# Altium PCB mother_board.PcbDoc (part 1 of 5)
Units mil, origin at the board's own origin, x right, y up, seen from the top; angles counter-clockwise.
Board outline 5337.7 x 2972.67 mil, 2 copper layers (Top Layer, Bottom Layer); 94 components, 123 nets, 375 pads, 276 vias.
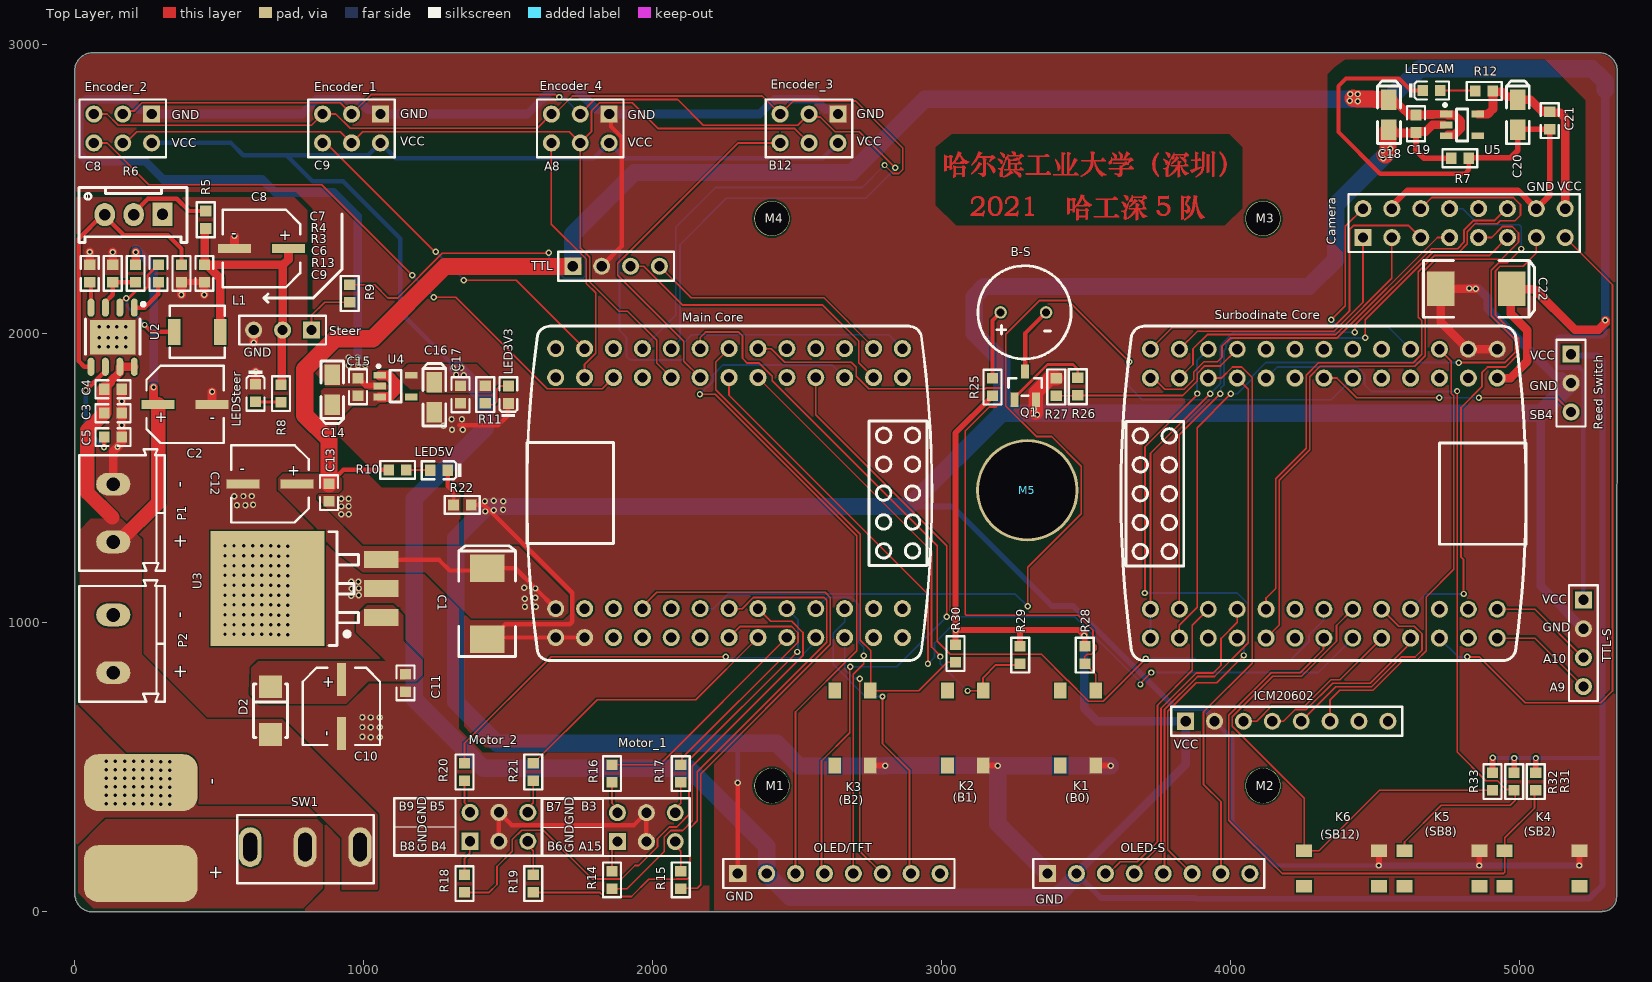
[diagram p0: Top Layer view]
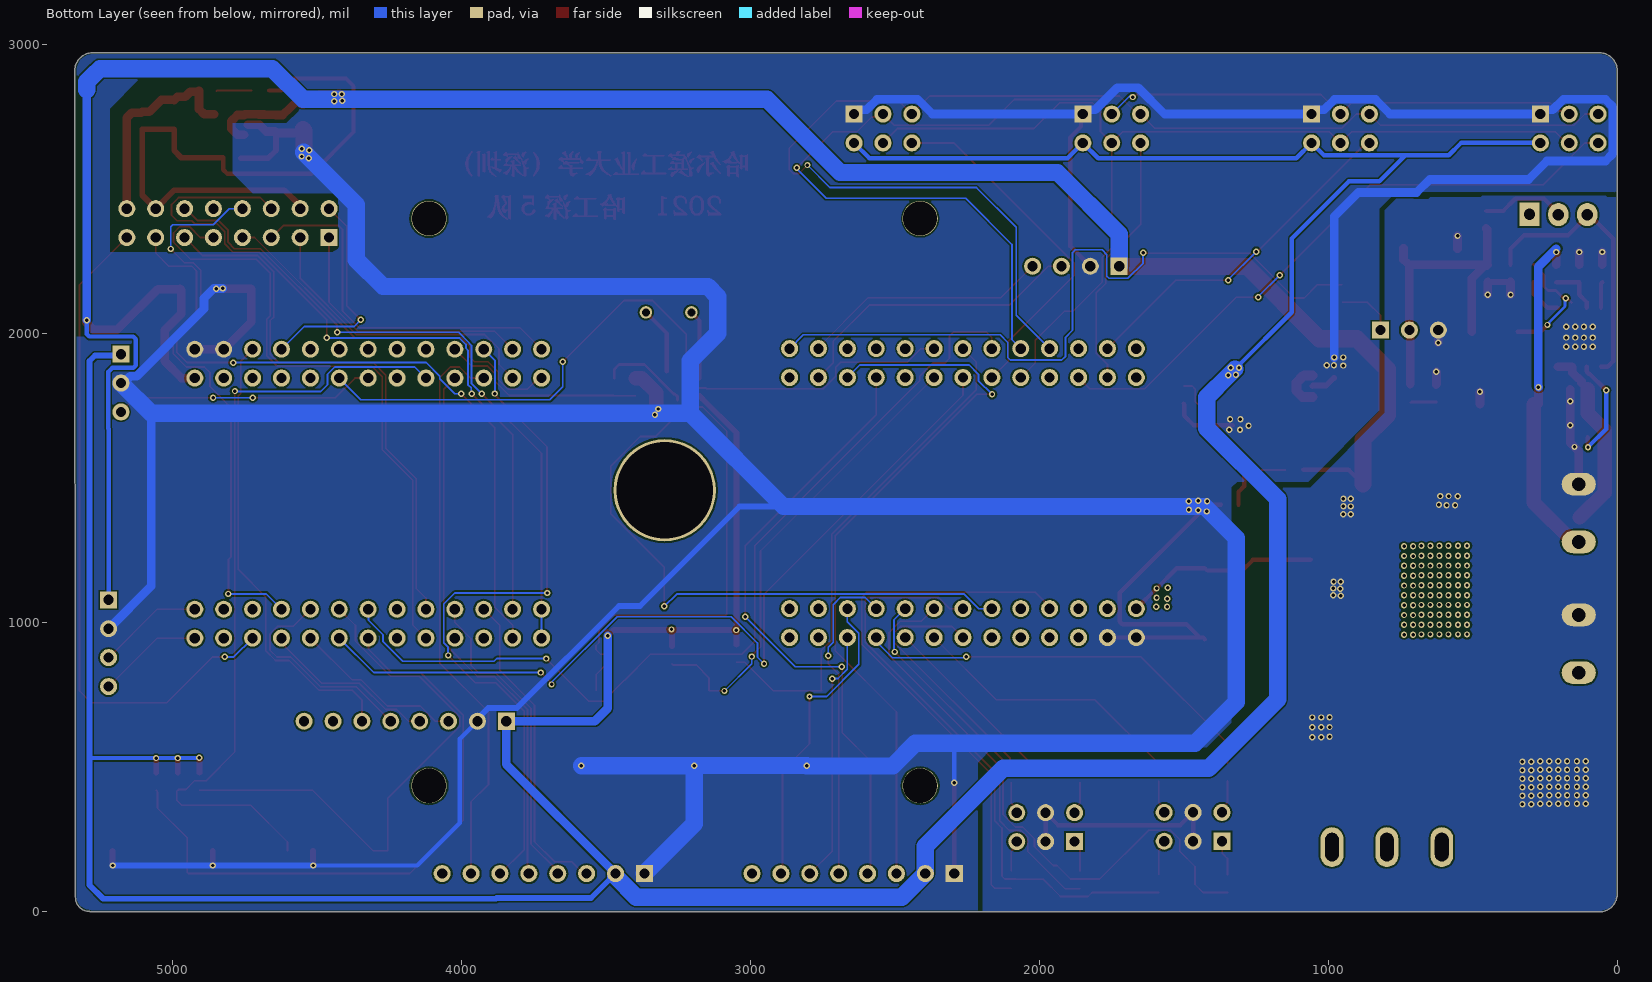
[diagram p1: Bottom Layer view, seen from below]
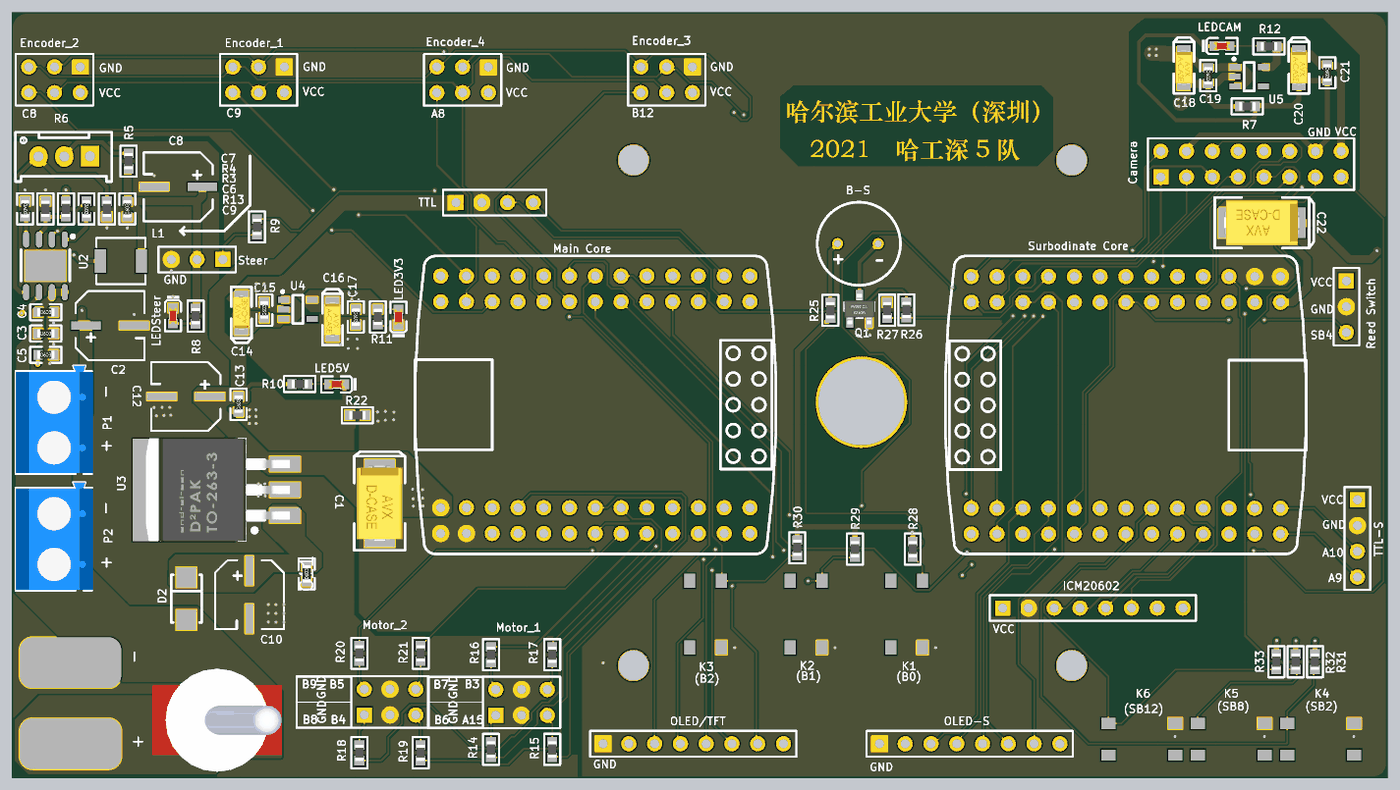
[diagram p6: 3D render of the assembled board from above, using the file's embedded part models]

## Layer stack, top to bottom
Top Solder: solder mask 0.4, Solder Resist, Dk 3.5
Top Layer: signal copper 1.4
Dielectric 1: dielectric 12.6, FR-4, Dk 4.8
Bottom Layer: signal copper 1.4
Bottom Solder: solder mask 0.4, Solder Resist, Dk 3.5

## Board outline
0,59.68 0,2912.35 cw(c60,2912.35) 60,2972.35 5277.7,2972.35 5277.7,2972.3 cw(c5277.7,2912.3) 5337.7,2912.3 5335.82,50.2 cw(c5286.09,50.47) 5285.82,0.75 5285.82,-0.32 60.32,-0.32 cw(c60.16,59.84)

## Design rules (kind name [scope] priority, off if disabled: settings)
Clearance [All] p1: gap=6 ignorepadtopadclearanceinfootprint=TRUE
PlaneClearance [All] p1: clearance=8
PlaneConnect [All] p1: planeconnectstyle=Direct reliefexpansion=20 reliefentries=4 reliefconductorwidth=10 reliefairgap=10
PolygonConnect [All] p1: connectstyle=Direct reliefconductorwidth=10 reliefentries=4 polygonreliefangle="90 Angle" airgapwidth=10
RoutingVias [All] p1: holewidth=12 width=22 viastyle="Through Hole" minholewidth=12 minwidth=22 maxholewidth=28 maxwidth=50
SilkToSilkClearance [All] p1: silktosilkclearance=2
SilkToSolderMaskClearance [IsPad] p1: minsilkscreentomaskgap=2 clearancetoexposedcopper=TRUE
SolderMaskExpansion [All] p1: expansion=4 istentingtop=FALSE
Width PWR_Width [InNetClass('VCC')] p1: maxlimit=60 minlimit=15 preferedwidth=15
Width [All] p2: maxlimit=6 minlimit=6 preferedwidth=6
26 further rules are at their usual default settings.

## Classes and differential pairs
net class VCC: FB GND5V GNDBAT GNDCAM VCC3V3 VCC5V VCCBAT VCCCAM VCCSteer
component class 主板: B-S C2 C3 C4 C5 C6 C7 C8 C9 C10 C18 C19 C20 C21 C22 Camera D2 Encoder_1 Encoder_2 Encoder_3 Encoder_4 ICM20602 K1 K2 K3 K4 K5 K6 L1 LEDCAM LEDSteer M1 M2 M3 M4 M5 "Main Core" Motor_1 Motor_2 OLED-S OLED/TFT P1 P2 Q1 R3 R4 R5 R6 R7 R8 R9 R12 R13 R14 R15 R16 R17 R18 R19 R20 R21 R25 R26 R27 R28 R29 R30 R31 R32 R33 "Reed Switch" Steer "Surbodinate Core" SW1 TTL TTL-S U2 U3 U5

## Components (designator, comment, footprint, x,y, rotation, side; value= is the part's Value field where it differs from the comment)
B-S "BEEP" BUZ-TH_BD9.0-P4.00-D1.0-FD 3286.5,2074.3 r0 top
C1 "100uF 16V" CASE-D_7343 1427,1065.97 r90 top
C2 "25V 100uF" SMD-ECAP-6.3x5.3 381.3,1756.1 r0 top
C3 "10uF" 0603_R 131.88,1725.45 r0 top
C4 "100nF" 0603_R 131.88,1808.3 r0 top
C5 "1uF" 0603_R 131.88,1642.6 r0 top
C6 "100nF" 0603_R 289.42,2209.39 r270 top
C7 "100nF" 0603_R 51.4,2209.39 r270 top
C8 "16V 220uF" SMD-ECAP-6.3x5.3 645.6,2295.3 r180 top
C9 "100nF" 0603_R 448.1,2209.39 r90 top
C10 "25V 100uF" SMD-ECAP-6.3x5.3 922.1,710.9 r270 top
C11 "100nF" 0603_R 1144,792 r90 top
C12 "220uF 16V" SMD-ECAP-6.3x5.3 675.3,1480.9 r180 top
C13 "100nF" 0603_R 879.6,1450.6 r90 top
C14 "10uF 16V" CASE-A_3216 890.8,1806.5 r270 top
C15 "100nF" 0603_R 979.9,1816.6 r90 top
C16 "10uF 16V" CASE-A_3216 1244.2,1780.53 r90 top
C17 "100nF" 0603_R 1334.9,1789.53 r270 top
C18 "10uF 16V" CASE-A_3216 4548,2758.4 r90 top
C19 "100nF" 0603_R 4641.8,2727.12 r270 top
C20 "10uF 16V" CASE-A_3216 4994.1,2758 r90 top
C21 "100nF" 0603_R 5104.4,2738.09 r270 top
C22 "100uF 16V" CASE-D_7343 4850.5,2155.9 r0 top
Camera "HDR2x8" HDR2X8 4458.1,2333.3 r0 top
D2 "SS54" SMA(DO-214AC)_S1 677.3,695.6 r270 top
Encoder_1 "HDR2x3" HDR2X3 1057.37,2760.9 r180 top
Encoder_2 "HDR2x3" HDR2X3 265.6,2760.9 r180 top
Encoder_3 "HDR2x3" HDR2X3 2640.9,2760.9 r180 top
Encoder_4 "HDR2x3" HDR2X3 1849.13,2760.9 r180 top
ICM20602 "HDR1x8" HDR1X8 3844.4,659.1 r0 top
K1 "KEY-2P" SMD 3474.4,636.9 r270 top
K2 "KEY-2P" SMD 3084.2,636.9 r270 top
K3 "KEY-2P" SMD 2694,636.9 r270 top
K4 "KEY-2P" SMD 5076.6,151.9 r0 top
K5 "KEY-2P" SMD 4729.65,151.9 r0 top
K6 "KEY-2P" SMD 4382.7,151.9 r0 top
L1 "3.3uH" SMD-4.2x4.4x2.0 423.2,2006.9 r180 top
LED3V3 "LED_GREEN" 0603-LED 1500.3,1789.1 r90 top
LED5V "LED_BLUE" 0603-LED 1260.7,1528.1 r180 top
LEDCAM "LED_GREEN" 0603-LED 4695.18,2842.3 r0 top
LEDSteer "LED_GREEN" 0603-LED 625.3,1794.7 r270 top
M1 "MountHole" MountHole 2412.1,435.9 r0 top
M2 "MountHole" MountHole 4112.3,435.9 r0 top
M3 "MountHole" MountHole 4112.3,2399.2 r0 top
M4 "MountHole" MountHole 2412.1,2399.2 r0 top
M5 "MountHole" HOLE 3296.6,1458.8 r0 top
"Main Core" "CH32V103R_CoreBoard" CH32V103R_CoreBoard 2264.1,1448.8 r0 top (schematic designator U1)
Motor_1 "HDR2x3" HDR2X3 1877.9,242.6 r0 top
Motor_2 "HDR2x3" HDR2X3 1367.5,243.8 r0 top
OLED-S "HDR1x8" HDR1X8 3366.6,132 r0 top
OLED/TFT "HDR1x8" HDR1X8 2294.2,132 r0 top
P1 "接口" "KF/WJ/DG 301-2p-5.0mm" 132.7,1379.8 r270 top
P2 "接口" "KF/WJ/DG 301-2p-5.0mm" 132.7,927.1 r270 top
Q1 "S8050" SOT-23(SOT-23-3) 3288.8,1820.8 r270 top
R3 "10K" 0603_L 210.08,2209.39 r270 top
R4 "10K" 0603_L 130.74,2209.39 r270 top
R5 "100K" 0603_L 452.9,2394.99 r270 top
R6 "100K" 3296W 245.2,2405.9 r180 top
R7 "0R" 0603_L 4793.68,2607.7 r0 top
R8 "10K" 0603_L 713.3,1793.21 r90 top
R9 "1K" 0603_L 951.4,2139.7 r270 top
R10 "4.7K" 0603_L 1117,1529.1 r0 top
R11 "2.7K" 0603_L 1420.1,1789.79 r270 top
R12 "2.7K" 0603_L 4877.69,2840.5 r180 top
R13 "15K" 0603_L 368.76,2209.39 r270 top
R14 "100R" 0603_L 1859,110.1 r270 top
R15 "100R" 0603_L 2096.8,110.1 r90 top
R16 "100R" 0603_L 1859,477.98 r90 top
R17 "100R" 0603_L 2096.8,477.99 r270 top
R18 "100R" 0603_L 1348.6,97.12 r270 top
R19 "100R" 0603_L 1586.4,97.11 r90 top
R20 "100R" 0603_L 1348.6,483.3 r90 top
R21 "100R" 0603_L 1586.4,483.3 r270 top
R22 "0R" 0603_L 1340.8,1408 r0 top
R25 "10R" 0603_L 3176.1,1815.5 r90 top
R26 "4.7K" 0603_L 3470.8,1817.1 r90 top
R27 "10K" 0603_L 3396.4,1816.08 r90 top
R28 "4.7K" 0603_L 3495.5,888.09 r270 top
R29 "4.7K" 0603_L 3271.55,888.09 r270 top
R30 "4.7K" 0603_L 3047.6,893.3 r270 top
R31 "4.7K" 0603_L 5056.2,450.32 r270 top
R32 "4.7K" 0603_L 4981.4,450.32 r270 top
R33 "4.7K" 0603_L 4906.6,450.32 r270 top
"Reed Switch" "Header 3" HDR1X3 5178.3,1929.6 r270 top (schematic designator GHG)
Steer "HDR1x3" HDR1X3 818.8,2013 r180 top
"Surbodinate Core" "CoreBoard_S" CH32V103R_CoreBoard 4322.7,1446.8 r180 top (schematic designator U6)
SW1 "SWITCH-SPST" "ToggleSwitch 7102" 796.8,223.4 r0 top
TTL "HDR1x4" HDR1X4 1723.3,2234 r0 top
TTL-S "HDR1x4" HDR1X4 5221,1079.4 r270 top
T型头 "" T型头焊盘 232.7,281.86 r180 top
U2 "SY8205FCC" SOIC-8_EP_150mil 130.5,1988.4 r180 top
U3 "SPX2940-5.0" TO-263-3 1060.2,1118.3 r0 top
U4 "RT9013-33" SOT-23-5 1109.78,1819 r180 top
U5 "RT9013-33" SOT-23-5 4801.1,2723.2 r180 top

## Footprints (in the part's own frame and the unit in brackets; to place one, negate y for a bottom-side part, rotate by r counter-clockwise, add the part's x,y. Pads: shape width x height; smd on the part's side, far side on the other; paste and mask are expansions set on the pad)
0603-LED [mm]
  rect 0.93x0.98 smd: 1(0.77,0) 2(-0.77,0)
  silkscreen extent -1.97,-0.79 1.53,0.79, body extent -0.8,-0.4 0.8,0.4, height 0.6
0603_L [mm]
  rect 0.93x0.98 smd: 1(-0.77,0) 2(0.77,0)
  silkscreen extent -1.53,-0.79 1.54,0.79, body extent -0.82,-0.41 0.83,0.41, height 0.46
0603_R [mm]
  rect 0.93x0.98 smd: 1(-0.77,0) 2(0.77,0)
  silkscreen extent -1.54,-0.79 1.53,0.79, body extent -0.85,-0.4 0.85,0.4, height 0.56
3296W [mil]
  oval 70x80 hole 39.37: 1(141.85,-6.85) 2(41.85,-6.85)
  rect 70x80 hole 39.37: 3(-58.15,-8.15)
  silkscreen extent -143,-101 231,90
BUZ-TH_BD9.0-P4.00-D1.0-FD [mm] "逐飞科技CH32V103R核心板"
  round 1.1 hole 0.7: 1(-2.095,0) 2(1.905,0)
  silkscreen extent -4.1,-4.1 4.1,4.1
CASE-A_3216 [mm]
  rect 1.8x1.35 smd: 1(1.31,0) 2(-1.31,0)
  silkscreen extent -2.54,-1 2.97,1, body extent -1.7,-0.84 1.7,0.84, height 1.71
CASE-D_7343 [mm]
  rect 2.4x3 smd: 1(3.12,0) 2(-3.12,0)
  silkscreen extent -4.65,-2.5 5.1,2.5, body extent -3.7,-2.23 3.7,2.22, height 3.01
CH32V103R_CoreBoard [mm] "逐飞科技CH32V103R核心板"
  round 1.5 hole 0.9: 1(-15.24,-12.7) 2(-15.24,-10.16) 3(-12.7,-12.7) 4(-12.7,-10.16) 5(-10.16,-12.7) 6(-10.16,-10.16) 7(-7.62,-12.7) 8(-7.62,-10.16) 9(-5.08,-12.7) 10(-5.08,-10.16) 11(-2.54,-12.7) 12(-2.54,-10.16) 13(0,-12.7) 14(0,-10.16) 15(2.54,-12.7) 16(2.54,-10.16) 17(5.08,-12.7) 18(5.08,-10.16) 19(7.62,-12.7) 20(7.62,-10.16) 21(10.16,-12.7) 22(10.16,-10.16) 23(12.7,-12.7) 24(12.7,-10.16) 25(15.24,-12.7) 26(15.24,-10.16) 27(15.24,12.7) 28(15.24,10.16) 29(12.7,12.7) 30(12.7,10.16) 31(10.16,12.7) 32(10.16,10.16) 33(7.62,12.7) 34(7.62,10.16) 35(5.08,12.7) 36(5.08,10.16) 37(2.54,12.7) 38(2.54,10.16) 39(0,12.7) 40(0,10.16) 41(-2.54,12.7) 42(-2.54,10.16) 43(-5.08,12.7) 44(-5.08,10.16) 45(-7.62,12.7) 46(-7.62,10.16) 47(-10.16,12.7) 48(-10.16,10.16) 49(-12.7,12.7) 50(-12.7,10.16) 51(-15.24,12.7) 52(-15.24,10.16)
  silkscreen extent -17.79,-14.73 17.83,14.67
HDR1X3 [mm] "Connector; Header; 3 Position"
  rect 1.5x1.5 hole 0.9: 1(0,0)
  round 1.5 hole 0.9: 2(2.54,0) 3(5.08,0)
  silkscreen extent -1.27,-1.27 6.35,1.27
HDR1X4 [mm] "Connector; Header; 4 Position"
  rect 1.5x1.5 hole 0.9: 1(0,0)
  round 1.5 hole 0.9: 2(2.54,0) 3(5.08,0) 4(7.62,0)
  silkscreen extent -1.27,-1.27 8.89,1.27
HDR1X8 [mm] "Connector; Header; 8 Position"
  rect 1.5x1.5 hole 0.9: 1(0,0)
  round 1.5 hole 0.9: 2(2.54,0) 3(5.08,0) 4(7.62,0) 5(10.16,0) 6(12.7,0) 7(15.24,0) 8(17.78,0)
  silkscreen extent -1.27,-1.27 19.05,1.27
HDR2X3 [mm] "Connector; Header; 3x2 Position"
  rect 1.5x1.5 hole 0.9: 1(0,0)
  round 1.5 hole 0.9: 2(0,2.54) 3(2.54,0) 4(2.54,2.54) 5(5.08,0) 6(5.08,2.54)
  silkscreen extent -1.27,-1.27 6.35,3.81
HDR2X8 [mm] "Connector; Header; 8x2 Position"
  rect 1.5x1.5 hole 0.9: 1(0,0)
  round 1.5 hole 0.9: 2(0,2.54) 3(2.54,0) 4(2.54,2.54) 5(5.08,0) 6(5.08,2.54) 7(7.62,0) 8(7.62,2.54) 9(10.16,0) 10(10.16,2.54) 11(12.7,0) 12(12.7,2.54) 13(15.24,0) 14(15.24,2.54) 15(17.78,0) 16(17.78,2.54)
  silkscreen extent -1.27,-1.27 19.05,3.81
HOLE [mm]
  round 9 hole 8.5: 8(0,0)
"KF/WJ/DG 301-2p-5.0mm" [mm] "2P 5.08mm间距 接线端子"
  oval 2x3 hole 1.2: 1(2.54,0) 2(-2.54,0)
  silkscreen extent -5.6,-3 5.08,4.52, body extent -5.6,-3 5,4.6, height 10
MountHole [mm]
  round 3.1 hole 3: 1(0,0)
SMA(DO-214AC)_S1 [mm]
  rect 2x2 smd: 1(2.1,0) 2(-2.1,0)
  silkscreen extent -2.35,-1.5 2.35,1.5
SMD [mm]
  rect 1.4x1.1 smd: 1(-3.25,1.5) 2(3.333,1.5) 3(-3.25,-1.627) 4(3.333,-1.627)
SMD-4.2x4.4x2.0 [mm] "Chip Inductor, 2-Leads, Body 4.40x4.20mm, IPC Low Density"
  rect 1.1x2.3 smd: 1(-2.025,0) 2(2.025,0)
  silkscreen extent -2.41,-2.29 2.41,2.29, body extent -2.37,-2.22 2.37,2.22, height 2
SMD-ECAP-6.3x5.3 [mm] "Aluminum Electrolytic Capacitor, Body 6.60x6.60x5.50mm, IPC Low Density"
  rect 2.9x0.8 smd: 1(-2.371,0) 2(2.371,0)
  silkscreen extent -3.4,-3.4 3.4,3.4, body extent -3.4,-3.4 3.4,3.4, height 5.5
SOIC-8_EP_150mil [mm]
  rect 4x3 smd: 0(0,0)
  oval 0.6x1.6 smd: 1(-1.905,-2.6) 2(-0.635,-2.6) 3(0.635,-2.6) 4(1.905,-2.6) 5(1.905,2.6) 6(0.635,2.6) 7(-0.635,2.6) 8(-1.905,2.6)
  silkscreen extent -2.85,-3.05 2.4,1.5
SOT-23(SOT-23-3) [mm]
  rect 1.25x0.7 smd: 1(1.25,-0.95) 2(1.25,0.95) 3(-1.25,0)
  silkscreen extent -0.65,-1.46 0.9,1.46, body extent -1.5,-1.5 1.5,1.5, height 1.3
SOT-23-5 [mm]
  rect 1.1x0.6 smd: 1(1.4,-0.95) 2(1.4,0) 3(1.4,0.95) 4(-1.4,0.95) 5(-1.4,-0.95)
  silkscreen extent -0.5,-1.87 1.62,1.4
TO-263-3 [mm]
  rect 10x10.1 smd: 0(-10,0)
  rect 3x1.5 smd: 1(0,-2.54) 2(0,0) 3(0,2.54)
  silkscreen extent -4.6,-5 -2,5, body extent -13.73,-5.08 0.5,5.08, height 4.87
"ToggleSwitch 7102" [mm]
  oval 2x3.5 hole 1.2 slot 2.5 at 90 deg: 1(-4.826,0) 2(0,0) 3(4.826,0)
  silkscreen extent -5.97,-3.18 6.03,2.83, body extent -6.35,-5.08 6.36,5.08, height 28.7
T型头焊盘 [mm]
  rrect50% 10x5 smd mask+0.102: 1(0.127,3.809) 2(0.127,-4.191)

## Part data
C1 C2 C8 C10 C12 C14 C16 C18 C20 C22: library part CAP-TANTALUM, "Tantalum Capacitor"
C3 C4 C5 C6 C7 C9 C11 C13 C15 C17 C19 C21: library part CAP, "Capacitor"
Camera Encoder_1 Encoder_2 Encoder_3 Encoder_4 ICM20602 Motor_1 Motor_2 OLED-S OLED/TFT Steer TTL TTL-S: "Connector"
D2: "Schottky Diode"
K1 K2 K3 K4 K5 K6: "Key"
L1: library part L?
LED3V3 LED5V LEDCAM LEDSteer: library part LED, "LED"
"Main Core": "逐飞科技 CH32V103R核心板"
Q1: "NPN Bipolar Transistor"
R3 R4 R5 R7 R8 R9 R10 R11 R12 R13 R14 R15 R16 R17 R18 R19 R20 R21 R22 R25 R26 R27 R28 R29 R30 R31 R32 R33: library part RES, "Resistor"
R6: library part RES-CHANGABLE, "注意核对封装引脚"
"Reed Switch": "Header, 3-Pin", LatestRevisionDate=17-Jul-2002, LatestRevisionNote="Re-released for DXP Platform.", Publisher="Altium Limited"
"Surbodinate Core": library part CH32V103R_CoreBoard, "逐飞科技 CH32V103R核心板"
SW1: "Switch"
T型头: library part T型头

## Via types
v1: diameter 22, hole 12, Top Layer to Bottom Layer, tented both sides, 274 vias
v2: diameter 22, hole 12, Top Layer to Bottom Layer, 2 vias

## Nets (pads, with @x,y where several pads share a name; then routed paths per layer and width w, separated by ;. In a path a pad name is that pad's centre, name@x,y a point inside that pad or via, vN(x,y) a via of type N, cw(c..) or ccw(c..) an arc to the next point about the centre after c; other vN are vias at no path point)
A0: "Main Core.27" R9.1 | length 2576
  Top Layer w6: R9.1@951.4,2170.01 1037.59,2170.01 1083.4,2124.2 1117.05,2124.2 1272.05,2279.2 v1@1637.7,2279.2
  Bottom Layer w6: v1(1640.6,2280.41) 1640.6,2244.92 1693.22,2192.3 1758.6,2192.3 1765.9,2199.6 1765.9,2274.4 1782.5,2291 1875.4,2291 1885.1,2281.3 1885.1,2250.29 1884.77,2249.96 1884.77,2012.09 1908.9,1987.96 1908.9,1922.5 1922.08,1909.32 2100.02,1909.32 2108.65,1917.95 2108.65,1970.19 2134.88,1996.42 2816.49,1996.42 2864.1,1948.8
A0-S: "Surbodinate Core.27" "Surbodinate Core.28" Camera.12 | length 2342.2
  Top Layer w6: 3722.7,1046.8 3722.7,1586.6 v1(3929.3,1793.2) ; v1(4430.2,2005.33) 4430.2,2029.82 4695.16,2294.77 4785.63,2294.77 4807.46,2316.6 4807.46,2358.93 4841.14,2392.61 4914.21,2392.61 4954.9,2433.3 Camera.12@4958.1,2433.3
  Bottom Layer w6: 3722.7,946.8 3722.7,1046.8 ; v1(3929.3,1793.2) 3965.4,1829.3 3965.4,1959.5 3972.17,1966.27 3972.17,1967.73 4009.77,2005.33 v1(4430.2,2005.33)
A1: "Main Core.28"
A2: "Main Core.29" TTL.4 | length 861.3
  Top Layer w6: TTL.4@2023.3,2234 2132.83,2124.47 2592.53,2124.47 2764.1,1952.9 2764.1,1948.8
A2-S: "Surbodinate Core.29" Camera.8 | length 2772.3
  Top Layer w6: 3822.7,946.8 3822.7,991.7 3884.17,1053.17 3884.17,1675.61 v1(4000.87,1792.31) ; v1(4790,1900.5) 4948.9,1900.5 4985.32,1936.92 4985.32,1979.65 4902.19,2062.77 4902.19,2220.75 4927.66,2246.22 4958.53,2246.22 v1(5006.07,2293.75)
  Bottom Layer w6: v1(4000.87,1792.31) 4022.69,1792.31 4074.87,1844.49 4074.87,1853.46 4122.04,1900.62 4639.28,1900.62 4639.4,1900.5 v1(4790,1900.5) ; Camera.8@4758.1,2433.3 4803.61,2433.3 4858.91,2378 4998.89,2378 5006.07,2370.82 v1(5006.07,2293.75)
A3: "Main Core.30" TTL.3 | length 1044.3
  Top Layer w6: TTL.3@1923.3,2234 1968.81,2234 2103.29,2099.52 2588.38,2099.52 2712.7,1975.2 2712.7,1900.2 2764.1,1848.8
A3-S: "Surbodinate Core.30" Camera.6 | length 2656.9
  Top Layer w6: 3822.7,1046.8 3822.7,1650.93 3964.14,1792.36 v1(3964.14,1793.06) ; v1(4466.3,1986.91) 4466.3,2048.95 4700.13,2282.77 4790.6,2282.77 4819.46,2311.63 4819.46,2353.96 4846.11,2380.61 4922.38,2380.61 4933.24,2391.47 4984.47,2391.47 5003.3,2410.3 5003.3,2447.4 4978.87,2471.83 4696.63,2471.83 Camera.6@4658.1,2433.3
  Bottom Layer w6: v1(3964.14,1793.06) 3966.13,1795.06 3966.13,1813.06 3977.4,1824.33 3977.4,1943.3 3984.17,1950.07 3984.17,1962.76 4006.74,1985.33 4464.72,1985.33 v1(4466.3,1986.91)
A4: "Main Core.31"
A4-S: "Surbodinate Core.31"
A5: "Main Core.32" OLED/TFT.3 | length 2576.2
  Top Layer w6: v1(2163.3,1790.5) 2216.8,1790.5 2706.3,1301 2706.3,903.15 2494.2,691.05 OLED/TFT.3@2494.2,132
  Bottom Layer w6: v1(2163.3,1790.5) 2210.5,1837.7 2210.5,1859.69 2242.81,1892 2620.9,1892 2664.1,1848.8
A5-S: "Surbodinate Core.32" OLED-S.3 | length 1103.2
  Top Layer w6: OLED-S.3@3566.6,132 3577.41,132 3617.9,172.5 3677,172.5 3746.89,242.39 3746.89,714.56 3867.7,835.36 3867.7,991.8 3922.7,1046.8
A6: "Main Core.33"
A6-S: "Surbodinate Core.33"
A7: "Main Core.34" OLED/TFT.4 | length 2182.3
  Top Layer w6: 2564.1,1848.8 2564.1,1720.5 3017.42,1267.18 v1(3017.42,1020.6) ; OLED/TFT.4@2594.2,132 2584.05,142.15 2584.05,162.04 2584.05,521.74 2682.2,619.89 2682.2,845.83 v1(2684.1,847.73)
  Bottom Layer w6: v1(2684.1,847.73) 2844.55,847.73 v1(3017.42,1020.6)
A7-S: "Surbodinate Core.34" OLED-S.4 | length 1096.7
  Top Layer w6: OLED-S.4@3666.6,132 3666.6,141.7 3758.89,233.99 3758.89,704.21 3880.77,826.08 3939.5,826.08 3966.7,853.29 3966.7,945.29 4022.7,1001.29 4022.7,1046.8
A8: "Main Core.50" Encoder_4.6 | length 891.6
  Top Layer w6: Encoder_4.6@1649.13,2660.9 1649.13,2379.95 1770,2259.08 1770,2174.43 1802.63,2141.8 1802.63,1932.84 1764.1,1894.31 1764.1,1848.8
A8-S: "Surbodinate Core.50"
A9: "Main Core.51"
A9-S: "Surbodinate Core.51" TTL-S.4 | length 367.6
  Top Layer w6: 4922.7,946.8 5053.6,946.8 TTL-S.4@5221,779.4
A10: "Main Core.52"
A10-S: "Surbodinate Core.52" TTL-S.3 | length 367.6
  Top Layer w6: 4922.7,1046.8 5053.6,1046.8 TTL-S.3@5221,879.4